# KiCad board Processor Board.kicad_pcb (continued)
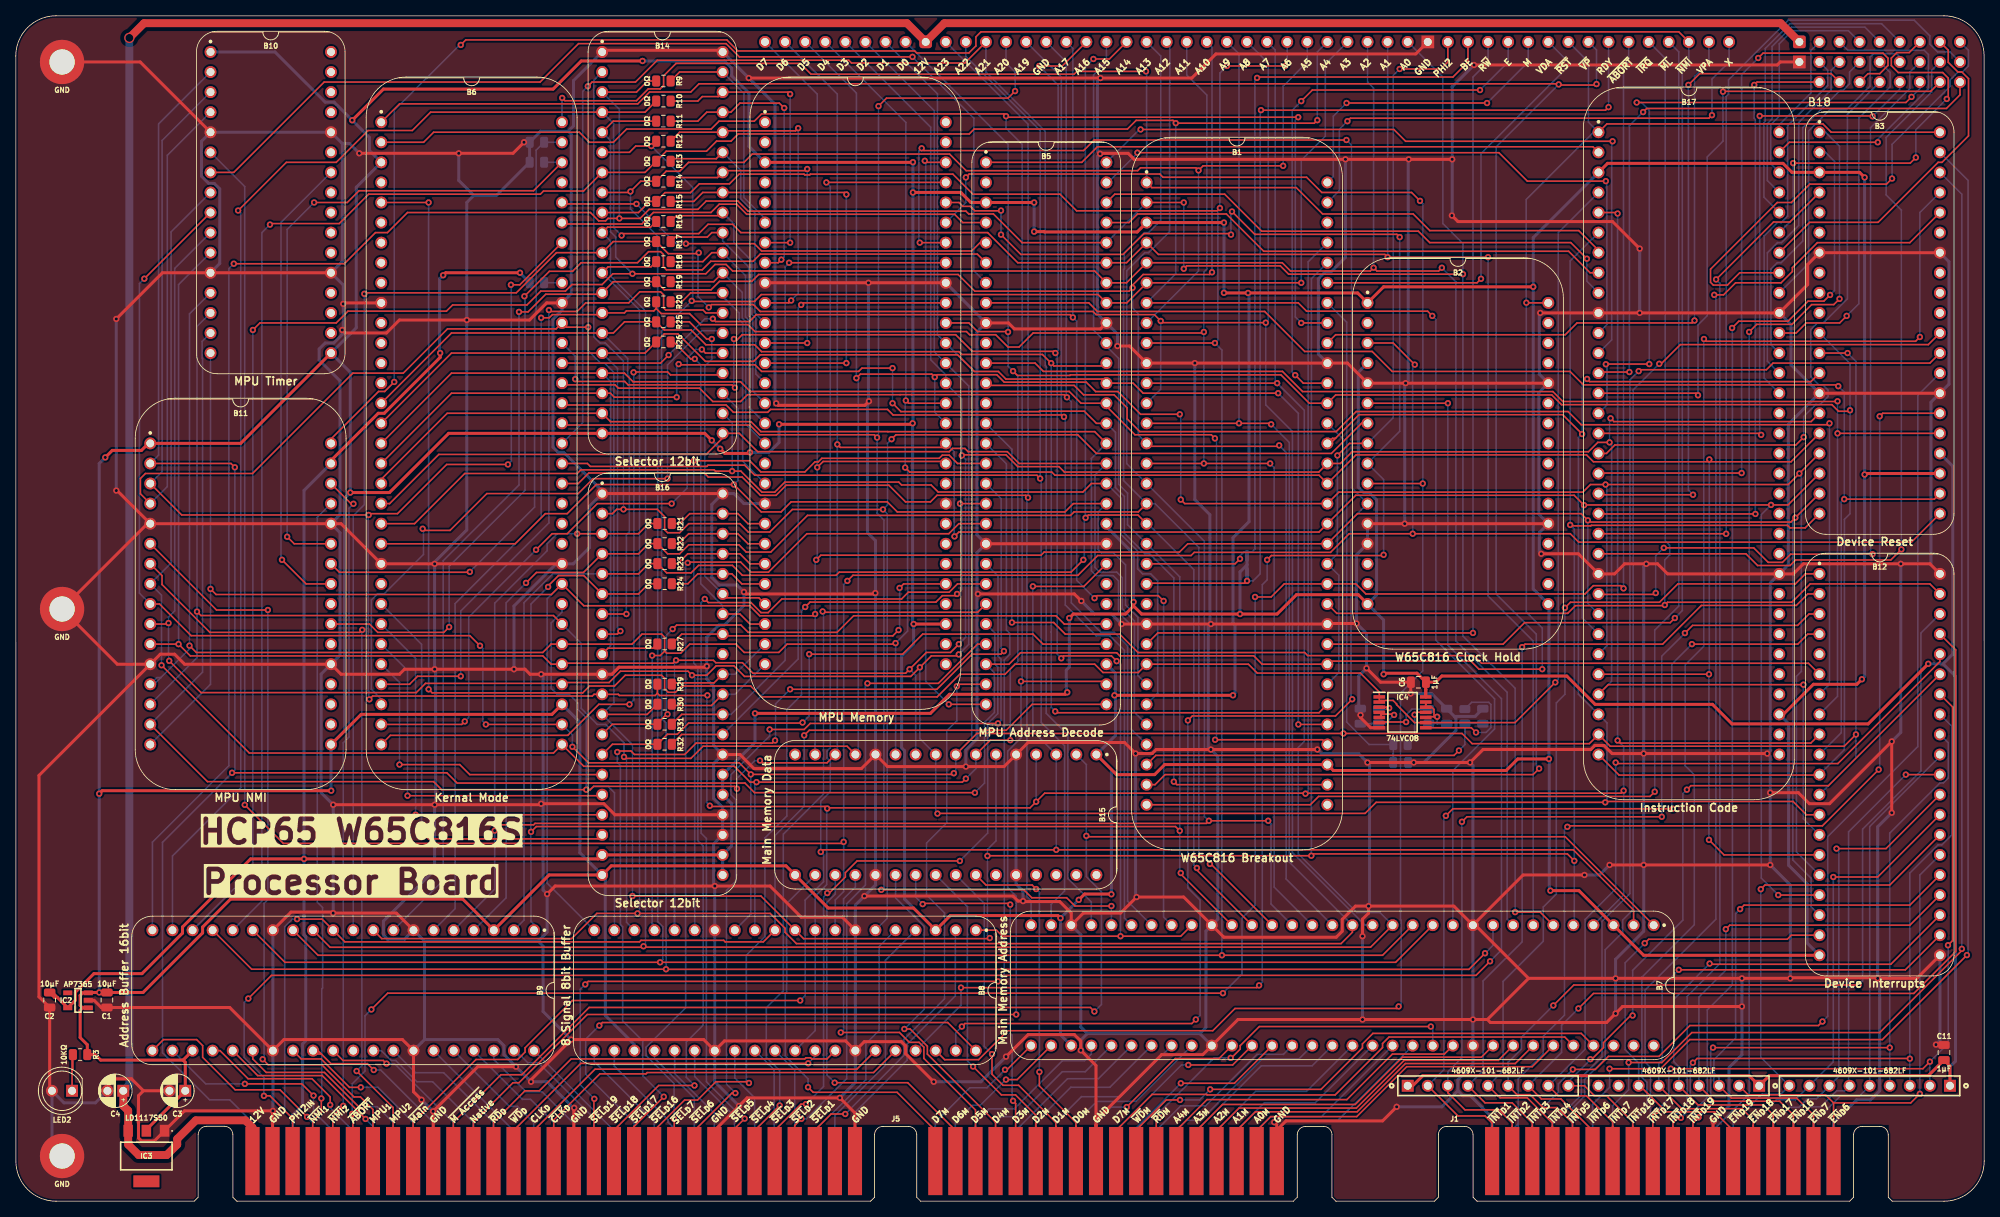
[diagram p0: board, top side]
## Routing (per net, layer and track width the routed paths; a pad name or vN(x,y) marks a point on that pad's centre or on a via; arc(x,y) is an arc through that point) (continued)
/A6: length 359.5
  Top w0.2: B9.13 38.23,31.12 v1(152.54,31.12) 172.85,31.12 B7.13 ; v1(152.28,125.66) 151.93,125.31 134.16,125.31 132.05,127.42 121.04,127.42 118.5,129.96 100.49,129.96 100.39,129.86 99.77,129.86 99.67,129.96 91.48,129.96 90.25,128.73 86.44,128.73 85.33,127.62 82.1,127.62 80.99,126.5 80.16,126.5 78.75,125.1 B14.9 ; v1(153.17,143.64) 160.53,143.64 v1(160.54,143.64) ; B1.9 v1(151.65,108.59)
  Bottom w0.2: v1(153.17,143.64) 152.28,142.75 v1(152.28,125.66) 152.03,125.41 152.03,108.97 v1(151.65,108.59) 152.54,107.7 v1(152.54,31.12) ; v1(160.54,143.64) 160.54,143.89 160.79,144.15 B13.27
/A7: length 375.9
  Top w0.2: B1.11 v1(159.52,103.51) ; B14.10 74.84,123.25 80.27,123.25 80.99,123.96 ; 174.12,34.93 171.34,32.14 79.5,32.14 v1(79.38,32.26) 79.26,32.13 39.75,32.13 B9.12
  Bottom w0.2: 174.12,34.93 172.52,36.52 169.61,36.52 162.19,43.94 162.19,57.4 162.95,58.17 162.95,100.08 v1(159.52,103.51) 159.27,103.76 159.27,145.67 B13.26 ; v1(79.38,32.26) 79.64,32.51 79.64,112.65 75.2,117.08 75.2,121.51 B14.10
/A8: length 336.2
  Top w0.2: v1(87.64,113.1) 87.99,113.45 93.28,113.45 94.15,112.58 136.23,112.58 136.62,112.18 143.99,112.18 v1(144.79,111.38) 145.01,111.16 v1(158.08,111.16) ; v1(44.08,114.81) 44.2,114.94 63.29,114.94 68.37,120.02 B14.11 75.56,121.42 80.99,121.42 82.52,119.89 86.24,119.89 v1(86.37,120.02)
  Bottom w0.2: B7.15 170.64,34.93 161.45,44.11 161.45,97.39 158.08,100.76 v1(158.08,111.16) 158.4,111.48 158.4,144 B13.25 ; v1(86.37,120.02) 86.27,119.92 86.27,114.46 v1(87.64,113.1) ; v1(144.79,111.38) 144.79,102.74 B1.12 ; v1(44.08,114.81) 44.08,88.14 42.67,86.73 B9.10
/A9: length 351.8
  Top w0.2: B14.12 74.9,118.23 80.33,118.23 80.99,118.88 ; v1(158.76,98.3) 158.63,98.43 v1(154.69,98.43) B1.13 ; B9.9 46.27,33.23 70.3,33.23 73.48,36.41 v1(78.62,36.41) 95.4,36.41 97.28,34.53 97.28,34.03 98.72,32.6 167.6,32.6 169.04,34.03 B7.16
  Bottom w0.2: v1(78.62,36.41) 78.88,36.67 78.88,112.75 B14.12 ; B13.24 154.69,145.16 v1(154.69,98.43) ; B7.16 161.05,42.91 161.05,96.01 v1(158.76,98.3)
/A10: length 306.8
  Top w0.2: B14.13 75.56,116.34 80.99,116.34 82.01,115.32 87.93,115.32 88.99,116.39 93.08,116.39 93.95,117.26 119.17,117.26 121.28,115.14 140.81,115.14 v1(141.23,115.57) 141.23,115.91 142.58,117.26 151,117.26 v1(151.28,117.53) ; 73.97,114.76 67.01,114.76 64.78,112.52 v1(63.63,112.52) ; 143.38,95.52 159.66,95.52 v1(159.77,95.63)
  Bottom w0.2: v1(141.23,115.57) 141.23,113.03 141.96,112.3 141.96,96.94 B1.14 ; B9.8 54.05,40.59 54.05,81.04 63.63,90.62 v1(63.63,112.52) ; B13.23 151.28,146.04 v1(151.28,117.53) ; B7.17 160.65,40.77 160.65,94.76 v1(159.77,95.63)
/A11: length 301.2
  Top w0.2: v1(158.63,93.35) v1(150.25,93.35) B1.15 ; B14.14 76.97,112.4 77.22,112.65 80.69,112.65 80.99,112.95 ; v1(150.25,109.98) 150.12,109.86 128.66,109.86 126.88,108.08 125.48,108.08 123.93,109.64 120.62,109.64 120.22,110.04 93.48,110.04 92.61,110.91 86.61,110.91 85.21,112.3 81.63,112.3 80.99,112.95 ; 73.93,112.18 67.86,112.18 67.46,111.78 v1(66.44,111.78) ; 80.99,112.95 80.99,113.45
  Bottom w0.2: B9.6 55.55,37.01 55.55,75.61 66.44,86.5 v1(66.44,111.78) ; 163.96,34.93 159.14,39.74 159.14,92.84 v1(158.63,93.35) ; v1(150.25,93.35) v1(150.25,109.98) 150.25,117.57 150.63,117.95 150.63,139.95 148.09,142.49 B13.22
/A12: length 286.3
  Top w0.2: v1(158.39,48.14) v1(150.88,48.14) 150.55,47.81 65.66,47.81 65.48,47.63 61.29,47.63 v1(60.56,46.89) ; v1(71,84.46) B16.3 78.75,84.46 80.04,85.75 R21.1
  Bottom w0.2: 145.95,146.29 145.95,141.52 145.91,141.49 145.91,122.67 143.26,120.02 142.78,120.02 140.49,117.73 140.49,93.32 B1.16 150.32,83.5 150.32,48.7 v1(150.88,48.14) ; B9.5 60.56,39.48 v1(60.56,46.89) 60.56,75.67 67.19,82.3 67.19,83.19 68.46,84.46 v1(71,84.46) ; v1(158.39,48.14) 158.74,47.79 158.74,37.6 161.2,35.15
/A13: length 254.4
  Top w0.2: B1.17 141.96,87.22 133.83,87.22 133.39,86.78 100.12,86.78 95.48,82.14 92.37,82.14 91.45,83.06 85.1,83.06 83.95,81.92 82.43,81.92 R22.1 80.04,83.21 78.75,81.92 B16.4 71.79,79.56 65.85,79.56 v1(64.52,78.23) ; B7.20 151.13,42.67 v1(151.01,42.67)
  Bottom w0.2: v1(64.52,78.23) 62,75.71 62,38.38 B9.4 ; v1(151.01,42.67) 149.61,44.07 149.61,82.72 144.07,88.27 B1.17 140.09,91.18 140.09,117.89 140.2,118 140.2,120.01 142.74,122.56 143.26,122.56 144.8,124.1 144.8,144.9 B13.20
/A14: length 250.5
  Top w0.2: v1(149.36,42.16) 149.36,41.9 156.34,34.93 ; B1.18 141.92,86.82 135.64,86.82 v1(135.29,86.47) ; v1(136.28,144.53) 138.31,144.53 B13.19 ; v1(135.01,81.15) 133.45,79.6 104.14,79.6 103.74,79.2 91.88,79.2 90.63,80.45 86.34,80.45 85.4,79.5 82.31,79.5 R23.1 80.05,80.68 78.75,79.38 B16.5
  Bottom w0.2: v1(136.28,144.53) 135.27,143.51 135.27,86.5 v1(135.29,86.47) 135.14,86.32 135.14,81.28 v1(135.01,81.15) ; B16.5 67.91,79.38 64.27,75.74 64.27,35.57 B9.2 ; v1(149.36,42.16) 148.98,42.55 148.98,79.91 143.17,85.73
/A15: length 262.3
  Top w0.2: v1(147.2,46.86) 146.66,47.41 65.83,47.41 v1(65.16,46.74) ; R24.1 80.04,78.13 78.75,76.84 B16.6 71.83,79.16 68.62,79.16 67.32,77.85 v1(67.32,77.72) ; v1(147.33,41.53) 147.33,41.39 153.8,34.93
  Bottom w0.2: 137.93,108.18 139.47,106.64 139.47,90.72 140.6,89.59 140.6,85.6 B1.19 147.2,78.99 v1(147.2,46.86) 147.2,41.66 v1(147.33,41.53) ; B9.1 65.53,35.04 65.15,35.42 65.15,46.73 v1(65.16,46.74) 65.15,46.74 65.15,75.56 v1(67.32,77.72) ; B5.47 136.3,110.22 136.3,142.52 137.93,144.15 B13.18
/A16: length 228.3
  Top w0.2: v1(132.22,68.7) 132.52,69 138.56,69 v1(139.22,68.33) ; v1(70.75,104.01) 71.03,103.73 77,103.73 77.44,103.29 90.59,103.29 v1(90.94,102.94) ; B13.17 132.34,143.64 v1(129.42,143.64) ; 148.72,34.93 147.32,33.53 v1(139.71,33.53) 124.78,33.53 124.02,34.29 B8.1 ; v1(131.47,107.32) 131.25,107.54 120.96,107.54 118.86,109.64 91.86,109.64 91.19,108.97 91.07,109.09 v1(90.81,109.09)
  Bottom w0.2: v1(90.81,109.09) 90.81,103.06 v1(90.94,102.94) ; v1(139.71,33.53) 139.71,67.85 v1(139.22,68.33) ; v1(129.42,143.64) 131.82,141.24 131.82,107.67 v1(131.47,107.32) 131.69,107.1 131.69,69.22 v1(132.22,68.7) ; B6.53 70.75,106.91 v1(70.75,104.01)
/A17: length 190
  Top w0.2: v1(88.15,111.66) 88.5,111.31 92.77,111.31 93.64,112.18 133.33,112.18 v1(133.68,111.83) ; v1(136.42,76.3) 136.74,76.62 144.49,76.62 v1(145.16,75.95) ; v1(82.56,107.06) 81.54,106.05 B6.52
  Bottom w0.2: 146.18,34.93 145.16,35.95 v1(145.16,75.95) ; v1(88.15,111.66) 87.15,111.66 v1(82.56,107.06) ; v1(136.42,76.3) 134.17,78.56 134.17,111.34 v1(133.68,111.83) 133.68,145.85 B13.16
/A18: length 183.3
  Top w0.2: v1(132.93,101.72) 132.6,102.05 113.29,102.05 113.28,102.06 111.84,102.06 111.83,102.05 92.53,102.05 91.67,101.19 88.15,101.19 86.46,102.87 76.21,102.87 75.79,103.29 69.29,103.29
  Bottom w0.2: B13.15 132.84,144.16 132.84,101.81 v1(132.93,101.72) 133.49,101.16 133.49,75.71 137.22,71.98 138.93,71.98 140.6,70.3 140.6,37.96 140.61,37.96 140.98,37.59 140.98,37.58 B7.26
/A19: length 182.5
  Top w0.2: v1(132.56,99.25) 132.32,99.48 110.95,99.48 110.24,100.18 95.45,100.18 95.09,99.82 90.75,99.82 89.83,100.75 69.29,100.75
  Bottom w0.2: B13.14 132.22,142.23 132.22,99.58 v1(132.56,99.25) 132.72,99.08 132.72,75.44 136.63,71.54 138.37,71.54 140.2,69.7 140.2,35.82 141.1,34.93
/A20: length 197.1
  Top w0.2: v1(109.1,138.56) 110.12,139.57 125.48,139.57 v1(126.37,140.46) ; v1(109.46,39.4) 127.49,39.4 128.49,38.4 132.9,38.4 133.95,37.35 v1(138.56,37.35) ; v1(108.92,96.63) 108.57,96.98 94.07,96.98 92.83,98.21 69.29,98.21
  Bottom w0.2: v1(126.37,140.46) 126.37,142.88 125.23,144.02 B13.13 ; v1(109.1,138.56) 109.1,96.8 v1(108.92,96.63) 108.92,87.04 109.79,86.17 109.79,39.73 v1(109.46,39.4) ; B7.28 v1(138.56,37.35)
/A21: length 216.8
  Top w0.2: B13.12 120.02,144.02 105.69,144.02 105.34,144.37 81.13,144.37 78.37,141.61 72.88,141.61 v1(72.34,141.07)
  Bottom w0.2: v1(72.34,141.07) 71.69,140.42 71.69,98.5 B6.48 ; B13.12 122.69,142.88 130.19,135.38 130.19,105.72 130.31,105.6 130.31,61.72 133.05,58.98 133.05,40.82 136.02,37.85 136.02,34.93
/A22: length 179
  Top w0.2: B6.47 72.28,93.35 72.65,92.98 87.4,92.98 87.55,93.13 92.18,93.13 93.45,91.86 129.13,91.86 v1(129.55,91.44)
  Bottom w0.2: B7.31 130.94,37.56 132.63,39.25 132.63,57.62 129.68,60.58 129.68,91.31 v1(129.55,91.44) 129.55,135.45 120.15,144.85 B13.11
/A23: length 178.9
  Top w0.2: v1(128.01,89.03) 127.72,89.32 116.5,89.32 115.67,88.48 112.52,88.48 110.42,90.59 97.42,90.59 96.15,89.32 94.17,89.32 91.86,91.63 87.58,91.63 87.06,92.14 72.46,92.14 71.13,90.81 B6.46
  Bottom w0.2: B13.10 128.01,136.28 v1(128.01,89.03) 127.87,88.89 127.87,38.55 128.4,38.03 128.4,34.93
/BA0: length 217.3
  Top w0.2: B16.7 v1(77.22,74.3) ; B1.38 164.81,61.8 131.62,61.8 v1(131.45,61.98) ; 137.57,105.68 131.29,105.68 v1(130.94,106.03) 129.84,107.14 119.63,107.14 119.27,107.5 94.31,107.5 93.44,108.37 87.27,108.37 85.4,110.24 82.01,110.24 80.99,111.26 76.98,111.26 75.57,109.86 B14.15 55.1,109.86 B6.15
  Bottom w0.2: v1(131.45,61.98) 130.95,62.48 130.95,72 130.94,72.01 130.95,72.01 130.95,106.03 v1(130.94,106.03) ; v1(77.22,74.3) 77.22,84.33 77.6,84.7 77.6,104.34 77.38,104.56 77.38,106.63 B14.15
/BA1: length 206.6
  Top w0.2: v1(159.65,102.24) 142.57,102.24 141.3,103.51 B5.45 137.41,104.03 125.22,104.03 124.26,104.99 121.21,104.99 119.93,106.27 119.1,107.1 94.15,107.1 93.32,106.27 87.21,106.27 83.73,109.74 82,109.74 79.58,107.32 B14.16 55.1,107.32 B6.16 ; 74.67,71.76 76.08,71.76 v1(76.46,72.14) ; B1.37 v1(162.2,60.33)
  Bottom w0.2: v1(76.46,72.14) 76.1,72.5 76.1,105.37 B14.16 ; v1(159.65,102.24) 162.2,99.68 v1(162.2,60.33)
/BA2: length 209.2
  Top w0.2: B1.36 165.27,58.39 v1(151.67,58.39) ; v1(151.65,96.52) 151.19,96.98 141.54,96.98 137.55,100.97 134.72,100.97 133.23,102.46 92.88,102.46 91.65,103.69 78.06,103.69 76.97,104.78 B14.17 55.1,104.78 B6.17 ; B16.9 74.9,69.97 80.6,69.97 R27.1
  Bottom w0.2: v1(151.67,58.39) 151.85,58.56 151.85,96.32 v1(151.65,96.52) ; B16.9 75.22,70.28 75.22,103.71 B14.17
/BA3: length 174.5
  Top w0.2: v1(146.45,53.09) 146.83,52.71 B1.34 ; B6.18 55.1,102.24 B14.18 75.19,102.24 75.7,101.73 v1(83.57,101.73) ; B5.43 136.66,98.43 135.13,99.96 129.46,99.96 129.41,99.91 111.94,99.91 v1(110.88,100.97) ; v1(110.88,105.41) 107.01,105.41 106.6,105 94.32,105 93.49,105.83 83.92,105.83 v1(83.83,105.92)
  Bottom w0.2: v1(146.45,53.09) 146.45,78.86 143.39,81.92 142.8,81.92 140.2,84.51 140.2,89.17 139.07,90.3 139.07,97.28 B5.43 ; v1(83.57,101.73) 83.57,105.66 v1(83.83,105.92) ; v1(110.88,105.41) v1(110.88,100.97)
/BA4: length 139.8
  Top w0.2: B5.42 136.44,97.37 110.28,97.37 110.28,97.38 94.23,97.38 92.97,98.63 75.21,98.63 B14.19 54.56,99.7 46.21,91.35
  Bottom w0.2: B1.29 141.07,59.73 141.07,72.87 139.45,74.49 139.45,78.49 138.79,79.16 136.63,79.16 136.03,79.76 136.03,93.98 B5.42
/BA5: length 134.7
  Top w0.2: B5.41 126.88,93.35 125.39,94.84 120.44,94.84 120.02,95.25 118.46,95.25 118.04,94.84 93.81,94.84 91.49,97.16 B14.21 ; B6.20 47.27,88.27 53.5,94.49 87.3,94.49 89.39,96.58
  Bottom w0.2: B1.28 141.47,61.87 141.47,73.42 139.94,74.95 139.94,78.89 139.23,79.6 137.08,79.6 136.48,80.19 136.48,91.9 B5.41
/BA6: length 136.8
  Top w0.2: B6.21 50.43,85.73 56.78,92.08 71,92.08 71.47,92.54 88.32,92.54 88.48,92.38 v1(90.59,92.38) 91.7,92.38 94.36,89.72 95.98,89.72 97.25,90.99 111.65,90.99 112.02,90.63 115.76,90.63 116.65,89.73 134.95,89.73 136.03,90.81 B5.40
  Bottom w0.2: B1.27 144.41,64.26 144.41,78.5 143.53,79.38 142.5,79.38 141.87,80.01 141.87,82.28 139.8,84.35 139.8,88.94 B5.40 ; v1(90.59,92.38) 90.59,98.49 B14.22
/BA7: length 138.1
  Top w0.2: B5.39 133.74,88.27 132.69,87.21 111.48,87.21 110.21,88.49 98.05,88.49 96.78,87.22 94.28,87.22 v1(90.81,90.68) 73.41,90.68 69.73,87 66.96,87 63.15,83.19 B6.22
  Bottom w0.2: B5.39 136.88,87.22 136.88,82.46 137.3,82.04 138.82,82.04 140.34,80.52 140.34,75.44 141.92,73.87 141.92,66.5 B1.26 ; 90.17,101.46 91.33,100.29 91.33,91.2 v1(90.81,90.68) ; 90.17,101.46 B14.23 90.17,101.46
/Bank Latch: length 47.5
  Top w0.2: B1.30 144.17,56.41 181.89,56.41 v1(182.51,57.02)
  Bottom w0.2: 183.26,59.11 183.26,57.77 v1(182.51,57.02) ; 183.26,59.11 R4.1 ; 183.26,59.11 R4.1 ; R4.1 185.51,60.44
/BE: length 104.5
  Top w0.2: B1.20 154.19,80.65 v1(154.82,81.28) ; B13.36 183.65,144.15 181.75,142.24 157.09,142.24 v1(156.98,142.14)
  Bottom w0.2: v1(156.98,142.14) 156.71,141.87 156.71,82.53 156.34,82.16 NT3.1 155.32,82.16 154.82,81.66 v1(154.82,81.28)
/CLK: length 380.2
  Top w0.2: v1(28.95,50.15) 33.83,45.27 104.5,45.27 v1(104.69,45.47) ; v1(105.16,78.49) 105.87,79.2 134.32,79.2 136.82,81.7 148.63,81.7 149.03,82.1 166.27,82.1 168.62,84.46 v1(176.67,84.46) 196.59,84.46 197.66,83.39 239.73,83.39 B3.21 ; v1(176.92,105.85) 174.19,108.59 B2.3
  Bottom w0.2: 103.64,36.21 103.64,38.12 104.69,39.18 v1(104.69,45.47) 104.69,78.02 v1(105.16,78.49) ; 103.64,36.21 103.63,36.2 B8.8 ; 103.64,36.21 103.64,34.3 ; v1(176.92,105.85) 176.64,105.57 176.64,86.89 176.67,86.87 v1(176.67,84.46) ; B10.6 28.95,128.39 v1(28.95,50.15)
/D0: length 499.9
  Top w0.2: v1(231.97,100.08) 231.84,99.95 230.51,99.95 229.68,100.79 195.48,100.79 194.25,102.02 166.92,102.02 B1.53 163.58,100.97 159.99,104.56 133.38,104.56 133.31,104.48 126.67,104.48 v1(126.12,105.03) ; B17.32 202.76,53.92 228.04,53.92 ; B15.7 123.24,58.33 v1(125.77,58.33) ; v1(18.43,67.81) 29.53,56.71 67.99,56.71 B6.33 71.83,55.03 90.87,55.03 92.87,53.02 v1(93.67,53.02) 119.71,53.02 v1(120.15,53.47) ; v1(125.48,109.98) 125.43,110.04 121.62,110.04 120.53,111.13 B4.46
  Bottom w0.2: v1(120.15,53.47) 121.42,54.74 B15.7 ; B10.8 19.63,122.65 19.63,80.74 B11.8 18.43,76.68 v1(18.43,67.81) ; v1(93.67,53.02) 93.47,52.82 B8.12 ; B3.11 231.97,105.99 v1(231.97,100.08) 231.97,86.98 231.26,86.27 231.26,57.13 B12.11 ; v1(125.77,58.33) 125.77,67.33 126.73,68.28 126.73,104.42 v1(126.12,105.03) 125.48,105.66 v1(125.48,109.98) 125.48,133.73 B13.8
/D1: length 508.3
  Top w0.2: B15.8 121.55,59.18 v1(167.9,59.18) 182.89,59.18 184.18,57.89 199,57.89 B17.31 201.65,57.57 231.23,57.57 v1(232.72,59.06) ; v1(58.7,70.28) 57.43,71.56 22.18,71.56 18.17,75.57 B11.9 ; v1(70.39,57.5) 72.42,55.47 91.49,55.47 v1(92.95,54) 118.48,54 v1(118.63,54.15) ; B6.34 v1(59.44,60.33) ; B10.9 v1(16.25,116.72) ; B3.12 v1(231.66,107.32)
  Bottom w0.2: v1(70.39,57.5) 70.39,59.01 B6.34 ; B8.13 92.95,36.31 v1(92.95,54) ; v1(231.66,107.32) 232.72,106.25 v1(232.72,59.06) 232.72,56.05 B12.12 ; v1(16.25,116.72) 15.63,116.1 15.63,76.94 B11.9 ; B13.7 116.56,140.12 116.56,109.64 B4.45 120.91,105.28 120.91,58.55 B15.8 118.88,54.41 v1(118.63,54.15) ; v1(167.9,59.18) 167.9,96.39 B1.52 ; v1(59.44,60.33) 59.06,60.71 59.06,69.92 v1(58.7,70.28)
/D2: length 532.8
  Top w0.2: 166.9,96.53 166.52,96.53 B1.51 ; 166.9,96.53 169.88,99.52 195.64,99.52 v1(198.09,97.07) ; 166.9,96.53 166.25,95.89 ; v1(19.31,73.15) 19.19,73.03 B11.10 ; v1(198.72,104.04) 199.05,103.71 227.03,103.71 B3.13 ; 68.96,65.52 51.81,65.52 50.64,64.35 23.42,64.35 v1(19.4,68.38) ; 69.29,65.63 75.03,65.63 76.46,67.06 85,67.06 v1(85.51,66.55) 87.38,66.55 88.57,67.73 90.82,67.73 92.16,66.4 113.19,66.4 v1(114.33,67.54) 115.78,69 119.06,69 v1(119.25,69.18) ; v1(116.56,49.04) 116.58,49.07 170.64,49.07 172.04,50.47 v1(201.01,50.47) 201.12,50.58 224.77,50.58 226.45,48.9 B12.13
  Bottom w0.2: v1(119.25,69.18) 120.51,70.44 120.51,103.14 B4.44 116.16,107.5 116.16,137.98 B13.6 ; v1(116.56,49.04) 116.34,49.26 B15.9 114.33,58.52 v1(114.33,67.54) ; v1(85.51,66.55) 85.85,66.21 B8.15 ; v1(201.01,50.47) 201.23,50.69 201.23,60.52 B17.30 197.62,64.14 197.62,96.6 v1(198.09,97.07) 198.09,103.41 v1(198.72,104.04) ; v1(19.4,68.38) 19.31,68.46 v1(19.31,73.15) 19.31,73.91 20.09,74.69 20.09,118.02 B10.10
/D3: length 491.8
  Top w0.2: v1(201.56,96.01) 200.07,96.01 198.89,94.83 169,94.83 167.52,93.35 B1.50 164.78,92.26 132.61,92.26 131.92,92.95 126.72,92.95 125.23,94.44 119.72,94.44 v1(119.64,94.36) ; B3.15 227.05,98.65 202.1,98.65 v1(201.68,99.06) ; B11.11 v1(20.58,70.49) 22.07,69 66.65,69 67.7,67.95 68.39,67.95 ; 68.39,67.95 68.45,67.88 ; 68.39,67.95 B6.37 ; v1(119.26,70.48) 118.21,69.44 115.16,69.44 v1(113.04,67.31) 112.53,66.8 93.23,66.8 91.89,68.14 88.53,68.14 88.22,68.44 v1(83.5,68.44) 83.13,68.07 69.33,68.07 ; B17.29 201.38,65.35 v1(226.07,65.35)
  Bottom w0.2: 83.3,34.3 83.3,47.71 ; 83.3,47.71 83.3,68.24 v1(83.5,68.44) ; 83.3,47.71 83.31,47.7 B8.16 ; B13.5 115.7,135.89 115.7,106.47 117.61,104.56 B4.43 119.64,101.47 v1(119.64,94.36) 120.11,93.89 120.11,71.34 v1(119.26,70.48) ; B10.11 20.58,115.97 v1(20.58,70.49) ; v1(113.04,67.31) 113.8,66.55 B15.10 ; v1(201.68,99.06) 201.56,98.93 v1(201.56,96.01) 201.81,95.76 201.81,65.79 B17.29 ; B12.14 226.07,48.39 v1(226.07,65.35)
/D4: length 482.2
  Top w0.2: B12.15 216.04,43.82 v1(214.13,45.72) ; 214.17,93.56 199.52,93.56 198.65,94.43 169.49,94.43 B1.49 164.82,91.86 131.42,91.86 131.02,92.26 113.05,92.26 v1(112.48,92.83) ; 214.17,93.56 v1(214.17,93.85) ; 214.17,93.56 224.51,93.56 B3.16 ; 82.05,69.6 81.49,69.04 v1(80.47,69.04) ; 82.05,69.6 82.05,71.37 81.66,71.76 79.2,71.76 77.93,70.49 B6.38 67.7,70.49 66.65,69.43 22.82,69.43 v1(21.96,70.29) ; 82.05,69.6 82.3,69.34 84.08,69.34 85.22,70.49 91.07,70.49 92.12,69.44 96.49,69.44 97.54,70.49 111.13,70.49 v1(111.26,70.61) ; B4.42 112.9,100.97 v1(112.56,101.31) ; B17.28 v1(214.13,66.68)
  Bottom w0.2: 17.49,65.41 18.34,66.25 ; 18.34,66.25 17.85,66.25 B11.13 ; 18.34,66.25 21.96,69.88 v1(21.96,70.29) 21.96,112.28 B10.13 ; B13.4 112.56,136.49 v1(112.56,101.31) 112.48,101.22 v1(112.48,92.83) 112.78,92.52 112.78,72.14 v1(111.26,70.61) B15.11 ; 80.47,35.2 v1(80.47,69.04) ; 80.47,35.2 80.77,34.89 ; 80.47,35.2 80.47,34.59 ; v1(214.13,45.72) v1(214.13,66.68) 214.17,66.72 v1(214.17,93.85)
/D5: length 484.3
  Top w0.2: B6.39 68,74.1 23.42,74.1 v1(22.92,74.6) ; B3.17 v1(225.56,92.08) 224.16,90.68 v1(201.05,90.68) 199.14,90.68 198.19,89.72 167.33,89.72 B1.48 147.84,88.27 v1(147.33,88.77) ; v1(147.2,99.57) 142.25,99.57 139.37,102.44 136.56,102.44 135.38,103.63 125.01,103.63 124.06,104.57 116.52,104.57 v1(116.21,104.27) 115.83,104.65 106.81,104.65 v1(106.31,104.14) ; v1(76.92,56.22) 77.11,56.03 85.37,56.03 86.91,57.57 105.13,57.57 B15.13
  Bottom w0.2: B17.27 201.21,70.27 201.21,90.52 v1(201.05,90.68) ; 106.55,56.88 106.55,103.9 v1(106.31,104.14) 106.31,140.21 B13.3 ; B4.41 116.21,99.82 v1(116.21,104.27) ; v1(225.56,92.08) 225.81,91.82 225.81,67.03 225.19,66.41 225.19,44.18 B12.16 ; v1(147.2,99.57) 147.33,99.44 v1(147.33,88.77) ; B10.14 22.92,110.69 v1(22.92,74.6) 22.92,68.78 B11.14 ; B8.18 77.24,35.29 77.24,55.9 v1(76.92,56.22) 76.92,58 74.59,60.33 73.54,60.33 71.51,62.36 71.51,70.59 B6.39
/D6: length 499.4
  Top w0.2: B15.14 102.59,55.47 94.4,55.47 v1(94.11,55.75) ; v1(91.21,52.2) 90.92,52.49 73.07,52.49 72.65,52.07 v1(72.14,52.07) 53.86,52.07 52.84,53.09 24.24,53.09 B11.15 ; B3.18 224.12,88.1 v1(221.98,88.1) 198.36,88.1 v1(198.33,88.07) 197.08,89.32 169.46,89.32 B1.47 164.81,84.67 119.26,84.67 v1(118.71,84.12) ; v1(103.89,95.76) 104.28,95.38 117.1,95.38 B4.40 ; B12.17 v1(222.89,38.74)
  Bottom w0.2: 103.89,56.77 v1(103.89,95.76) 103.89,140.08 B13.2 ; B10.15 23.56,108.8 23.56,106.68 23.62,106.63 23.62,66.94 B11.15 ; v1(198.33,88.07) 198.1,87.84 198.1,73.82 B17.26 ; v1(118.71,84.12) 118.66,84.17 118.66,94.84 B4.40 ; v1(222.89,38.74) 220.75,40.88 220.75,86.87 v1(221.98,88.1) ; 75.71,34.89 75.71,51.68 74.9,52.49 73.07,52.49 72.65,52.07 v1(72.14,52.07) 72.14,61.16 71.11,62.19 71.11,63.01 69.98,64.14 68.46,64.14 67.7,64.9 67.7,73.16 69.07,74.54 B6.40 ; v1(94.11,55.75) 93.46,55.75 91.21,53.5 v1(91.21,52.2)
/D7: length 484.5
  Top w0.2: B3.19 v1(225.05,86.49) 224.5,85.93 199.03,85.93 v1(198.81,86.15) 197.96,87 169.68,87 B1.46 148.22,83.19 147.16,82.13 130.06,82.13 129.66,81.74 101.81,81.74 v1(101.23,81.15) ; v1(101.35,92.85) 102.1,93.6 117.36,93.6 ; v1(101.09,74.3) 100.87,74.08 94.08,74.08 92.81,75.35 71.83,75.35 B6.41 67.73,76.76 25.33,76.76 v1(24.62,77.47)
  Bottom w0.2: B6.41 67.19,76.22 67.19,40.25 B8.20 ; B11.16 24.62,65.41 v1(24.62,77.47) B10.16 ; B15.15 101.1,57.89 101.09,57.9 ; 101.09,57.9 v1(101.09,74.3) 101.09,81.02 v1(101.23,81.15) 101.35,81.28 v1(101.35,92.85) 101.35,140.08 B13.1 ; 101.09,57.9 101.09,57.03 ; B17.25 198.81,75.65 v1(198.81,86.15) ; B12.18 227.05,37.25 227.05,40.86 224.73,43.17 224.73,86.17 v1(225.05,86.49)
/E: length 70.5
  Top w0.2: v1(185.17,140.6) 163.97,140.6 v1(162.57,139.19) ; B1.54 162.82,103.51 v1(161.81,104.52)
  Bottom w0.2: B13.38 188.73,144.15 185.18,140.6 v1(185.17,140.6) ; v1(162.57,139.19) 161.42,138.04 161.42,104.91 v1(161.81,104.52)
/Enter Interrupt: length 85.3
  Top w0.2: B6.62 65.48,127.86 43.41,127.86 41.92,126.37 v1(37.73,126.37) ; v1(34.32,84.07) 35.21,83.19 B11.27
  Bottom w0.2: R6.1 69.06,131.46 ; v1(37.73,126.37) 34.32,122.95 v1(34.32,84.07)
/H0: length 227.4
  Top w0.2: v1(158.25,81.15) 158.79,81.7 172.89,81.7 v1(172.98,81.79) ; v1(157.23,27.31) 156.95,27.02 v1(119.53,27.02) ; v1(153.68,122.3) 153.55,122.43 142.67,122.43 140.04,119.8 127.1,119.8 v1(124.59,122.3) ; v1(124.59,125.35) 124.56,125.32 121.27,125.32 120.71,125.88 119.77,125.88 119.28,126.37 B4.52 ; v1(175.01,121.99) 174.66,122.34 156.69,122.34 v1(153.81,125.22)
  Bottom w0.2: v1(158.25,81.15) 158.25,78.61 157.64,78 157.64,27.71 v1(157.23,27.31) ; v1(172.98,81.79) 172.98,91.31 B2.9 175.01,97.41 v1(175.01,121.99) ; v1(124.59,125.35) v1(124.59,122.3) ; B8.37 119.53,24.79 v1(119.53,27.02) ; v1(153.68,122.3) 153.68,125.1 v1(153.81,125.22)
/H1: length 238
  Top w0.2: B2.10 v1(177.94,90.81) ; v1(177.58,126.57) 176.52,127.64 165.17,127.64 163.24,129.56 145.08,129.56 144.67,129.97 120.58,129.97 v1(120.15,129.54) ; B8.38 117.48,17.91 121.77,17.91 125.43,21.57 151.37,21.57 154.19,24.38 174.63,24.38 v1(174.89,24.64)
  Bottom w0.2: B4.51 120.15,126.37 v1(120.15,129.54) ; v1(177.58,126.57) 177.95,126.21 177.95,90.82 v1(177.94,90.81) 177.94,67.1 175.12,64.28 175.12,35.63 175.21,35.54 175.21,24.96 v1(174.89,24.64)
/H2: length 236.5
  Top w0.2: v1(114.56,133.22) 114.85,132.94 135.04,132.94 136.38,134.28 v1(168.28,134.28) ; v1(148.23,60.83) 148.79,61.4 166.89,61.4 v1(169.01,63.51) ; v1(149.23,22.99) 148.73,22.48 120.02,22.48 v1(119.64,22.1) ; B4.50 v1(114.32,121.29)
  Bottom w0.2: v1(119.64,22.1) 118.87,21.33 B8.39 ; v1(148.23,60.83) 148.23,39.64 149.77,38.11 149.77,23.52 v1(149.23,22.99) ; v1(168.28,134.28) 168.92,133.64 168.92,90.3 B2.11 168.86,86.18 168.86,63.66 v1(169.01,63.51) ; v1(114.32,121.29) 114.2,121.4 114.2,132.87 v1(114.56,133.22)
/IC0: length 80
  Top w0.2: B18.26 245.88,139.99 244.16,138.26 206.26,138.26 v1(205.8,137.81) ; 200.3,104.91 v1(204.07,104.91)
  Bottom w0.2: v1(205.8,137.81) 204.07,136.07 v1(204.07,104.91)
/IC1: length 80.4
  Top w0.2: v1(215.9,140.39) 215.94,140.43 242.16,140.43 B18.25 ; B17.14 212.48,102.24 v1(212.74,101.97)
  Bottom w0.2: v1(212.74,101.97) 212.74,110.88 213.9,112.04 213.9,132.12 215.9,134.12 v1(215.9,140.39)
/IC2: length 83.7
  Top w0.2: v1(206.58,105.92) 201.11,105.92 v1(201.09,105.9) ; v1(204.99,139.02) 239.04,139.02 v1(239.75,139.73)
  Bottom w0.2: v1(206.58,105.92) 206.58,138.01 205.58,139.02 v1(204.99,139.02) ; B18.24 240.8,140.78 v1(239.75,139.73) ; B17.15 201.23,100.77 201.23,105.75 v1(201.09,105.9)
/IC3: length 81.1
  Top w0.2: B17.16 220.54,97.16 v1(220.73,96.96) ; v1(234.82,137.27) 234.78,137.32 v1(220.54,137.32)
  Bottom w0.2: v1(220.73,96.96) 220.54,97.15 v1(220.54,137.32) ; B18.23 238.26,140.71 v1(234.82,137.27)
/IC4: length 78.6
  Top w0.2: v1(226.11,96.67) 225.12,95.68 202.23,95.68 201.16,94.62 B17.17
  Bottom w0.2: B18.22 231.64,137.52 231.64,114.18 228.56,111.1 227.81,111.1 227.01,110.3 227.01,104.32 228.04,103.29 228.54,103.29 229.19,102.63 229.19,101.81 228.19,100.81 227.64,100.81 226.11,99.28 v1(226.11,96.67)
/IC5: length 93.7
  Top w0.2: v1(220.36,144.65) 220.97,145.26 236.14,145.26 236.77,144.63 236.77,143.71 235.73,142.66 234.24,142.66 B18.21 ; 200.22,92.13 v1(218.26,92.13)
  Bottom w0.2: v1(218.26,92.13) 218.26,142.55 v1(220.36,144.65)
/IC6: length 84
  Top w0.2: v1(211.53,141.24) 212.95,142.66 229.58,142.66 B18.20 ; 200.31,89.39 v1(212.12,89.39)
  Bottom w0.2: v1(212.12,89.39) 211.53,89.97 v1(211.53,141.24)
/IC7: length 82.6
  Top w0.2: B18.19 220.22,141.61 v1(219.86,141.24) ; v1(220,86.96) 200.2,86.96
  Bottom w0.2: v1(220,86.96) 220,136.87 219.84,137.03 219.84,141.23 v1(219.86,141.24)
/IC8: length 108.9
  Top w0.2: v1(216.3,84.45) 216.3,84.46 B17.21
  Bottom w0.2: v1(216.3,84.45) 216.3,84.45 216.3,139.8 216.6,140.1 216.6,141.89 224.15,149.43 240.09,149.43 242.07,147.45 242.07,146.39 243.05,145.42 244.61,145.42 B18.18
/IC9: length 105.1
  Top w0.2: B17.22 218.8,81.92 220.28,80.44 224.38,80.44 225.08,81.14 237.12,81.14 v1(238.46,82.47)
  Bottom w0.2: v1(238.46,82.47) 238.46,125.4 236.53,127.33 236.53,134.59 242.29,140.34 242.29,143.1 B18.17
/IC10: length 105.9
  Top w0.2: v1(234.81,81.87) 224.46,81.87 223.43,80.84 221.62,80.84 219.79,82.67 v1(208.42,82.67) ; 200.22,76.78 207.22,76.78 v1(207.4,76.95)
  Bottom w0.2: v1(207.4,76.95) 207.38,76.97 207.38,81.63 v1(208.42,82.67) ; v1(234.81,81.87) 234.56,82.12 234.56,135.83 239.53,140.79 239.53,142.88 B18.16
/IC11: length 39.9
  Bottom w0.2: B17.56 226.73,118.64 226.73,135.41 229.42,138.1 231.5,138.1 234.5,141.1 234.5,144.75 234.95,145.21 237.83,145.21 238.26,144.78